# Altium PCB proto_main.PcbDoc
Units mil, origin at the board's own origin, x right, y up, seen from the top; angles counter-clockwise.
Board outline 1140 x 1140 mil, 4 copper layers (Component Side, Signal Layer 1, Signal Layer 2, Solder Side), stack 60.752 mil thick; 83 components, 54 nets, 283 pads, 66 vias.
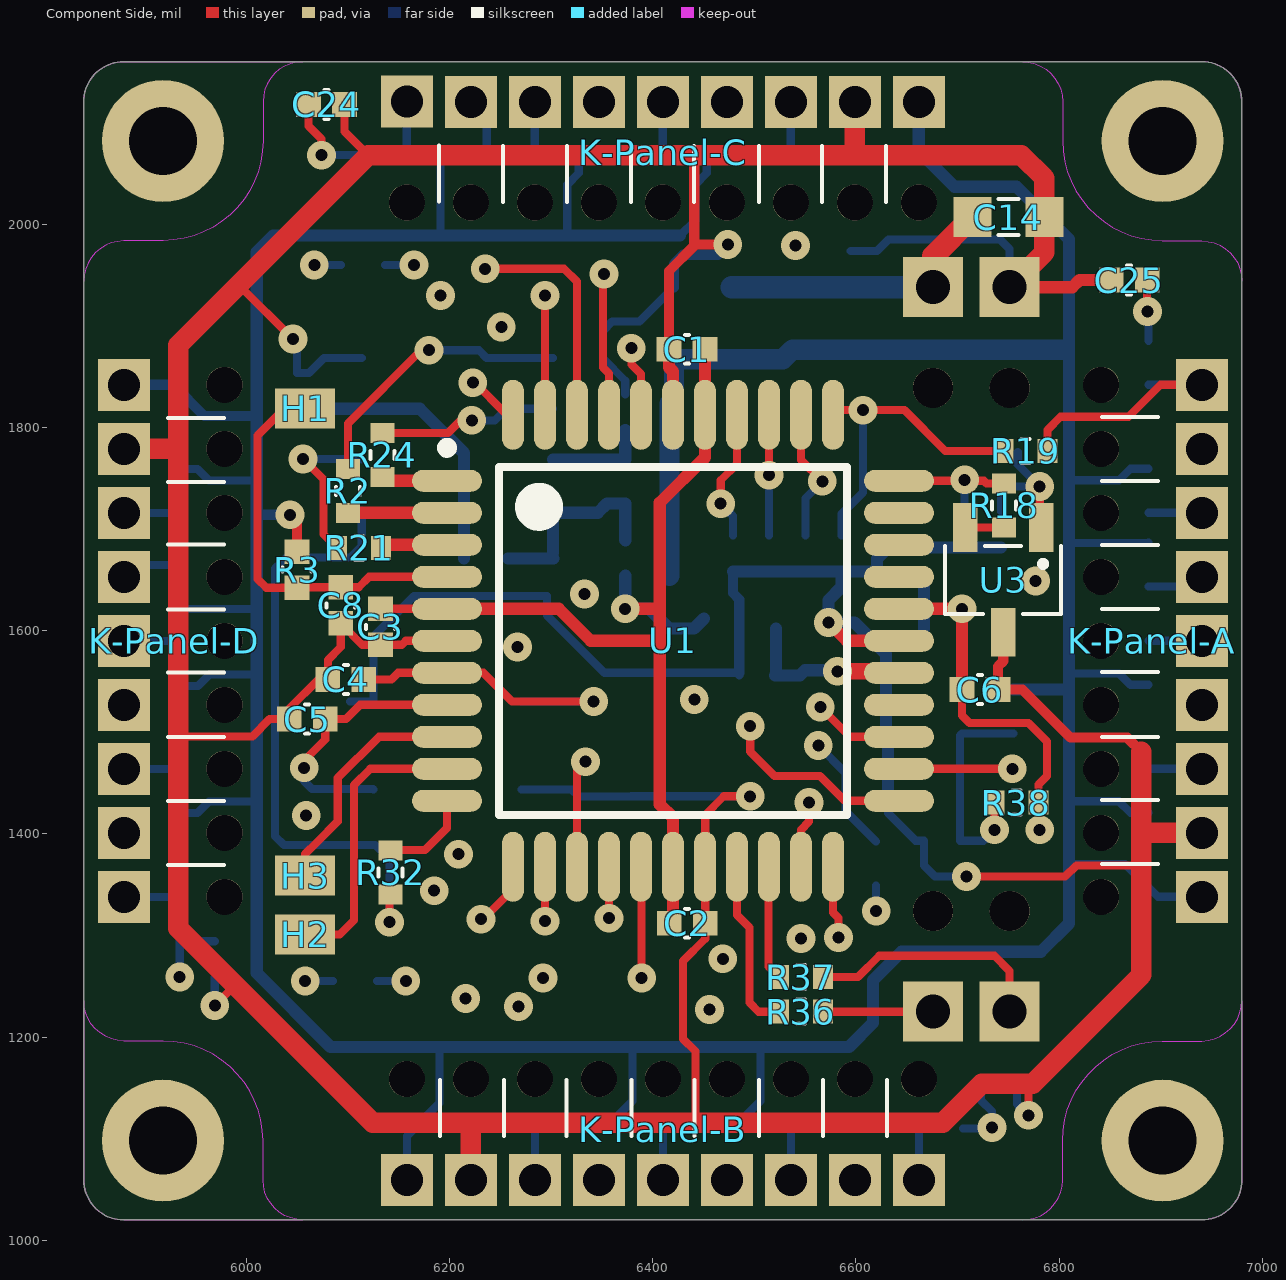
[diagram p0: Component Side view]
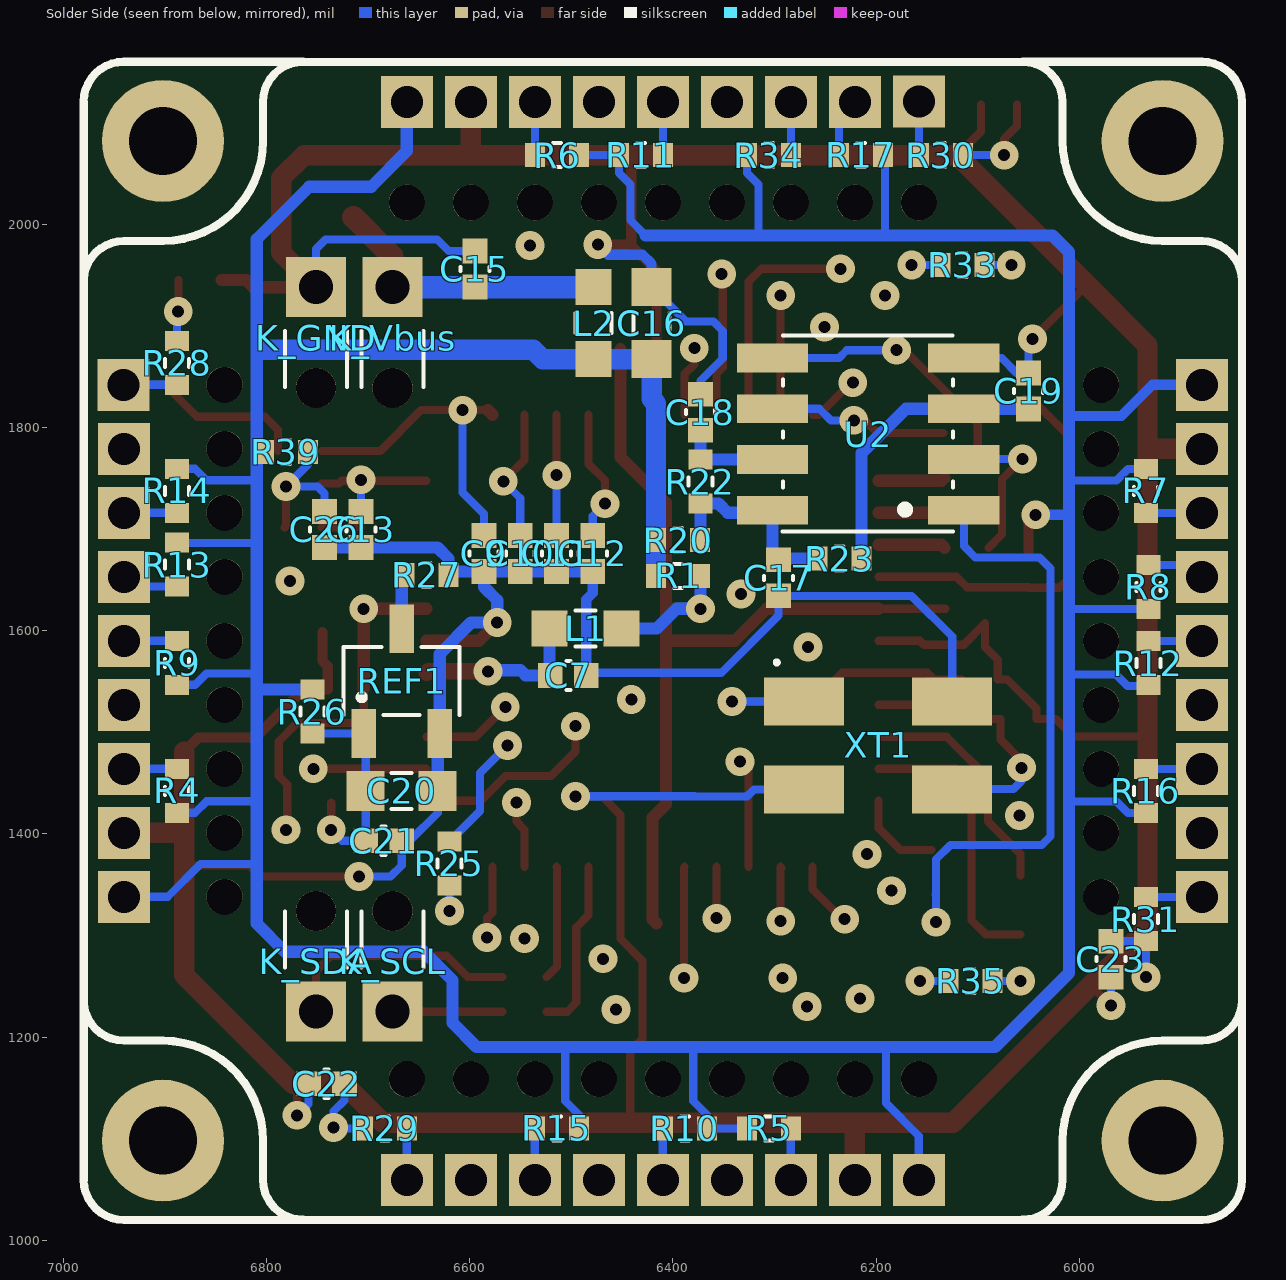
[diagram p1: Solder Side view, seen from below]
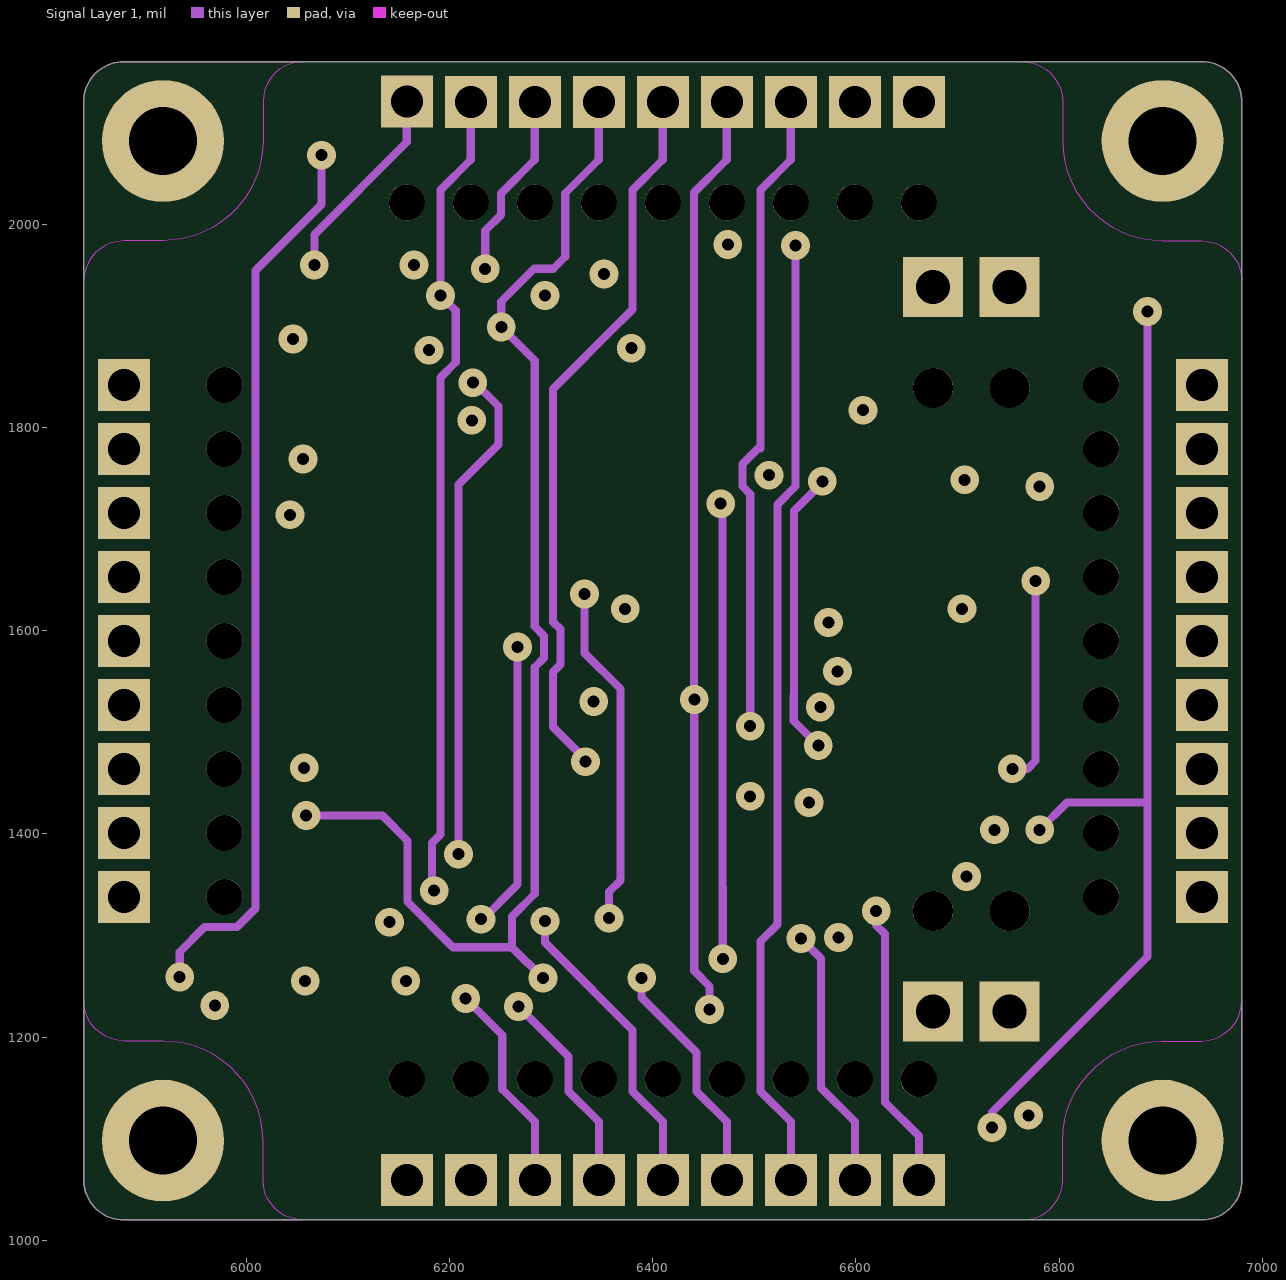
[diagram p2: Signal Layer 1]
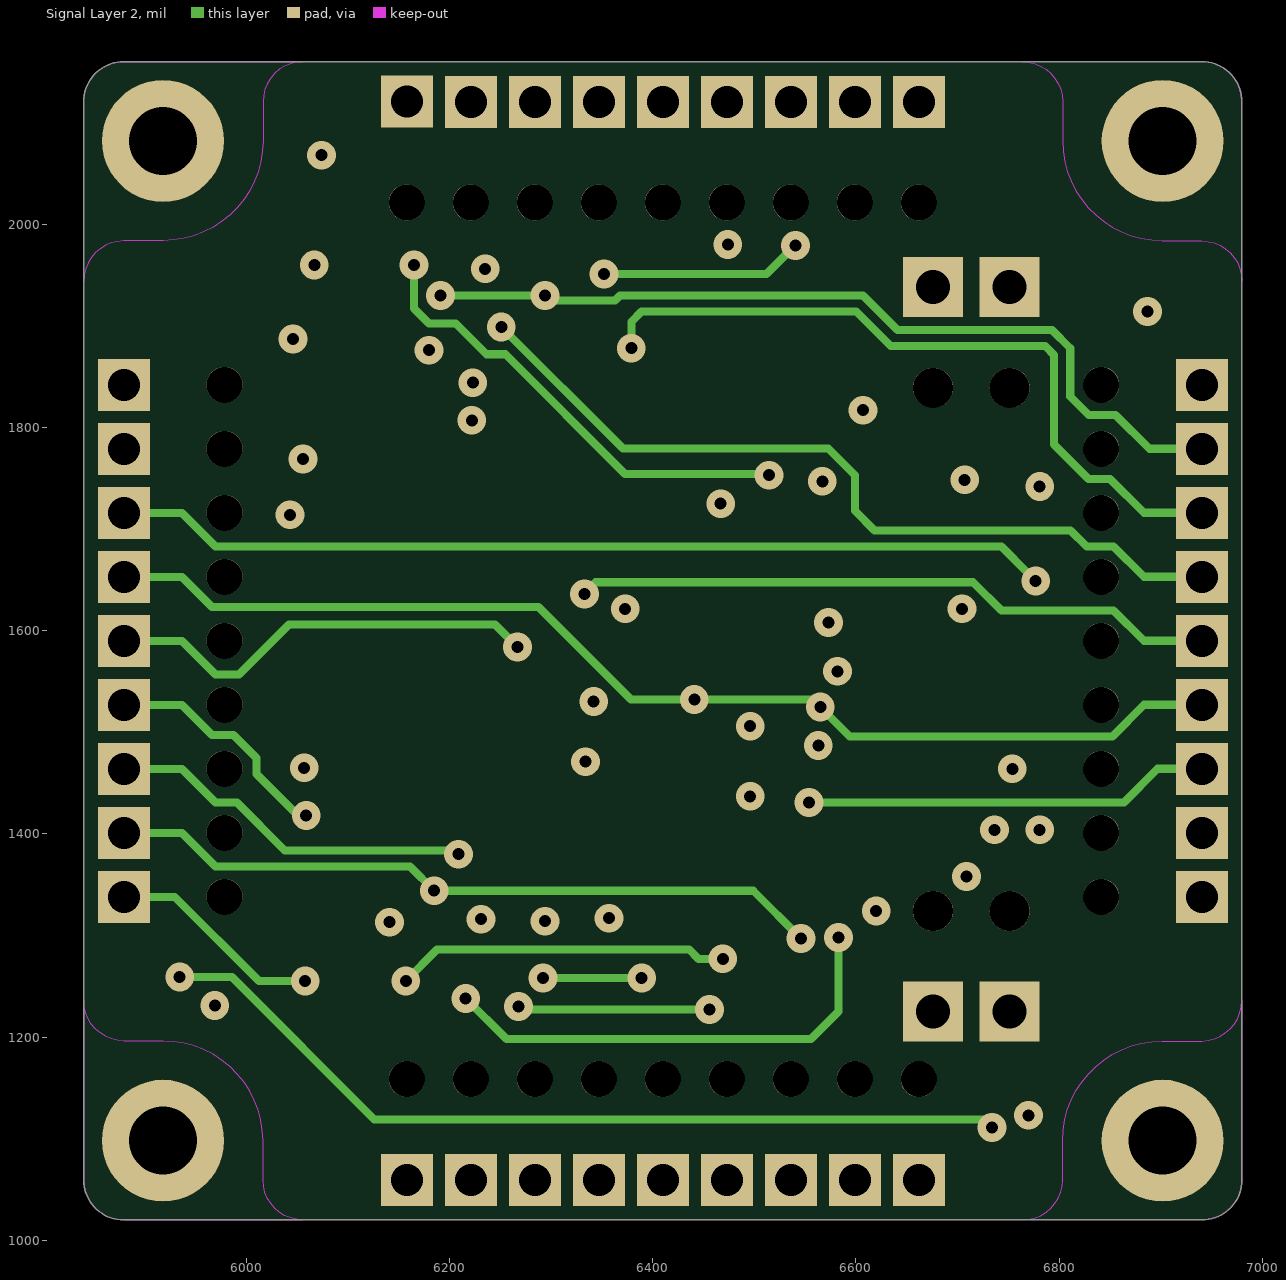
[diagram p3: Signal Layer 2]
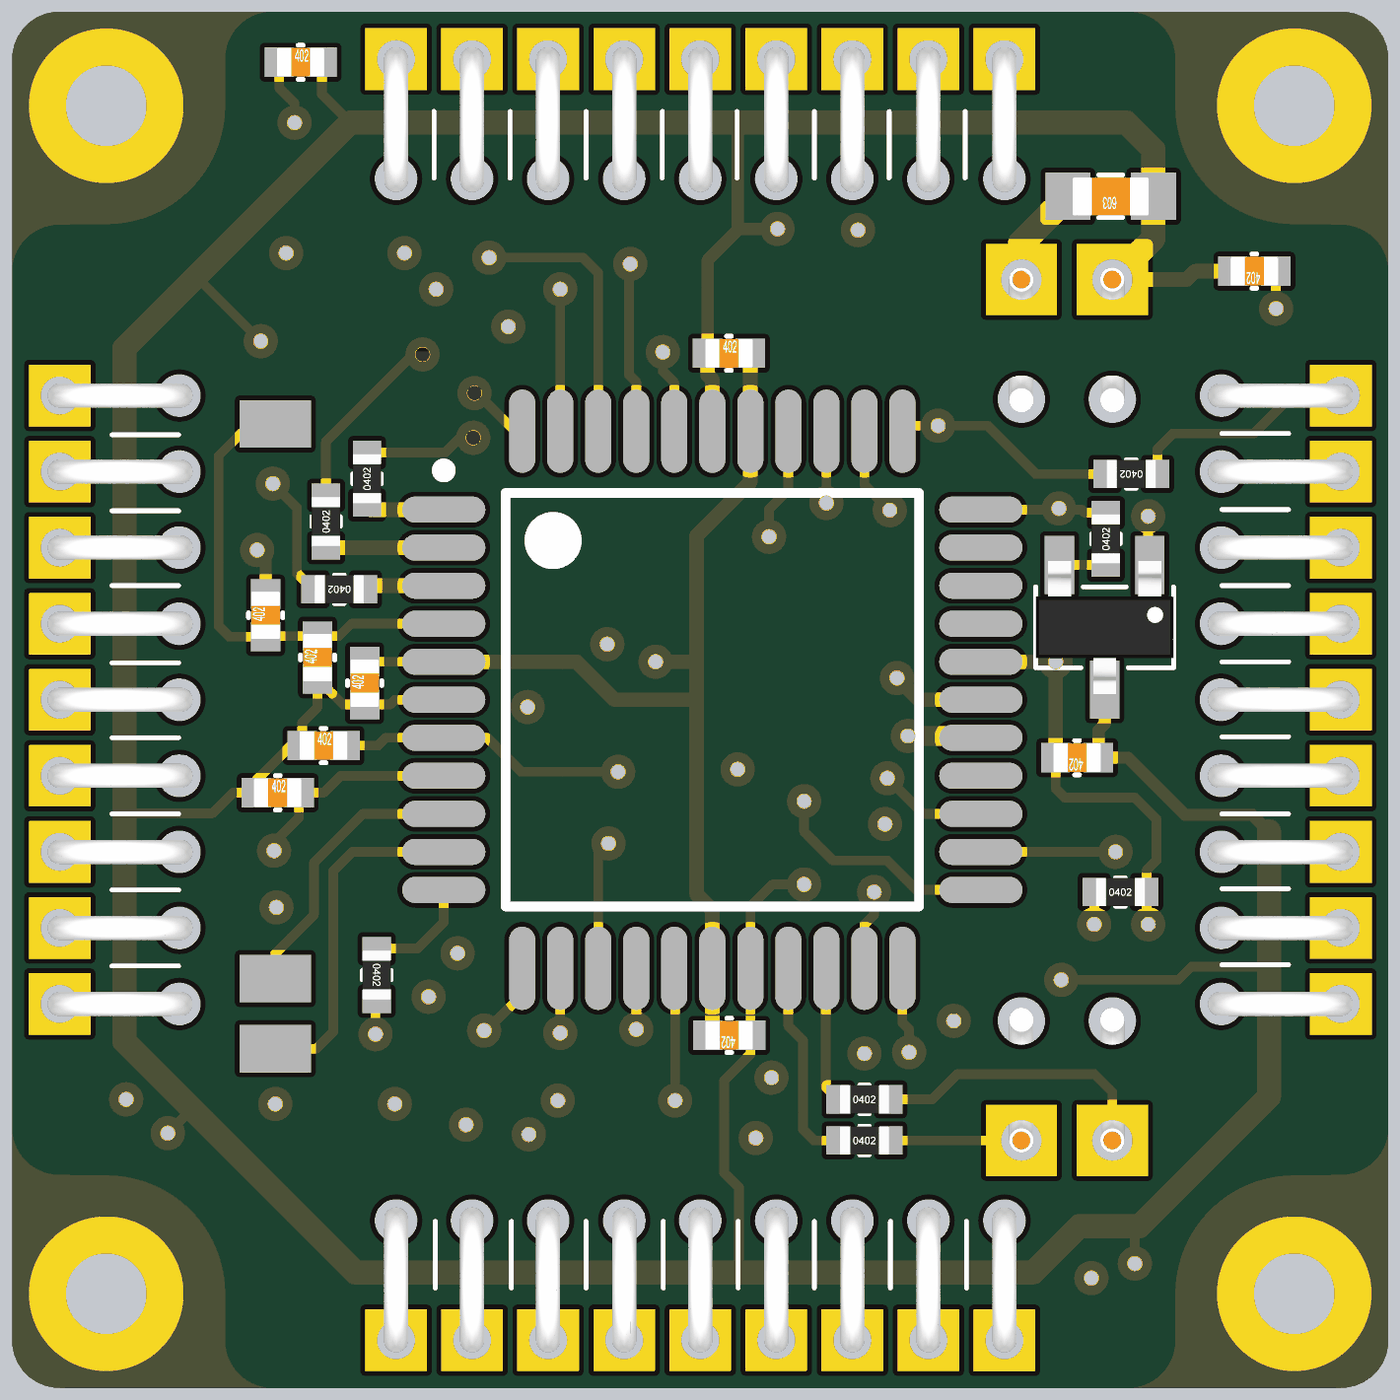
[diagram p4: 3D render of the assembled board from above, using the file's embedded part models]
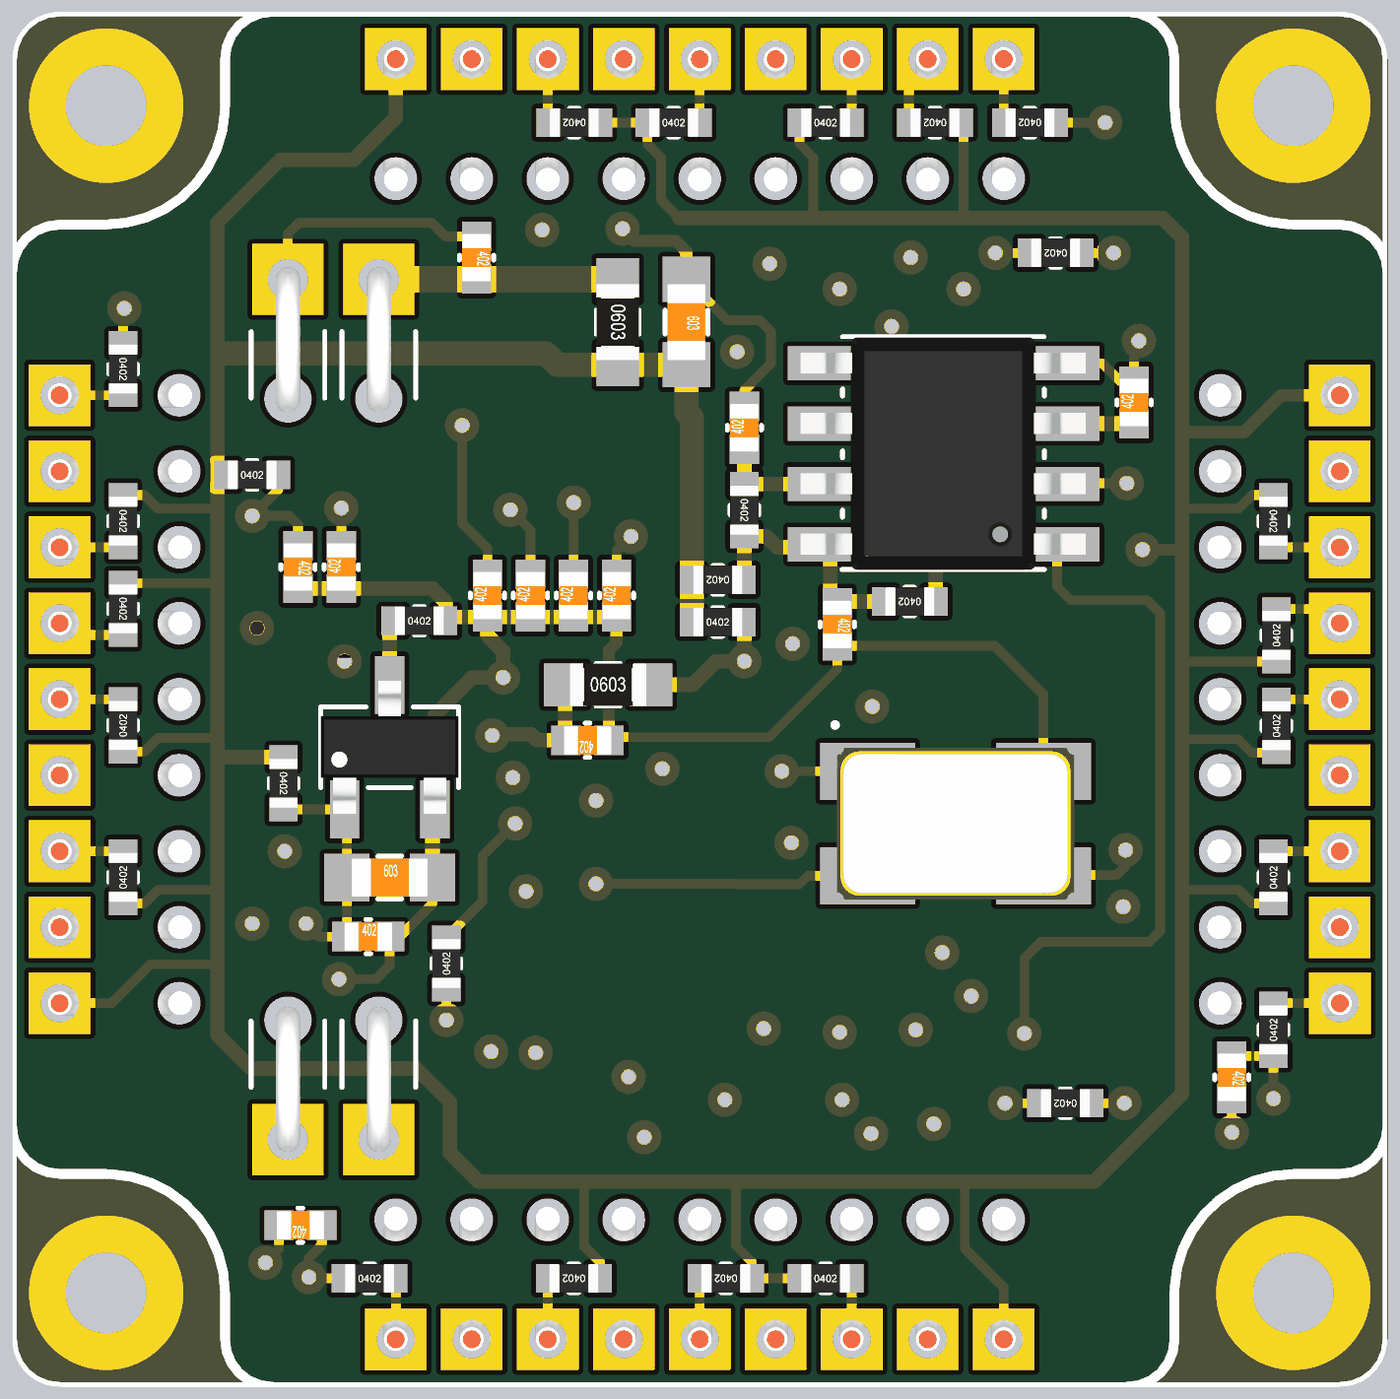
[diagram p5: 3D render of the assembled board from below, using the file's embedded part models]

## Layer stack, top to bottom
Component Side: signal copper 1.4
Dielectric 1: core 19.685, FR-4, Dk 4.2
Signal Layer 1: signal copper 1.4169
Dielectric 3: prepreg 15.748, Dk 4.2
Signal Layer 2: signal copper 1.4169
Dielectric 2: core 19.685, Dk 4.2
Solder Side: signal copper 1.4

## Board outline
5840,1059.37 5840,2120.6 cw(c5879.37,2120.6) 5879.37,2159.97 5879.37,2160 6940.6,2160 cw(c6940.6,2120.63) 6979.97,2120.63 6980,2120.63 6980,1059.4 cw(c6940.63,1059.4) 6940.63,1020.03 6940.63,1020 5879.4,1020 cw(c5879.4,1059.37)

## Design rules (kind name [scope] priority, off if disabled: settings)
Clearance [All] p1: gap=8
ComponentClearance [All] p1: gap=10 collisioncheckmode=3 verticalgap=0 showdistances=FALSE
PolygonConnect [All] p1: connectstyle=Relief reliefconductorwidth=10 reliefentries=4 polygonreliefangle="90 Angle" airgapwidth=10
RoutingVias [All] p1: holewidth=11 width=28 viastyle="Through Hole" minholewidth=11 minwidth=28 maxholewidth=13 maxwidth=29
SolderMaskExpansion [All] p1: expansion=4
Width [All] p1: maxlimit=100 minlimit=8 preferedwidth=10 minimp=50.000000 maximp=50.000000 favimp=50.000000
29 further rules are at their usual default settings.

## Classes and differential pairs
component class "3.0V Reference": C20 C21 R26 R27 R38 REF1
component class RTD_Interface: C22 C23 C24 C25 R28 R29 R30 R31
component class PANELS_CONN: K-Panel-A K-Panel-B K-Panel-C K-Panel-D
component class POWER: C14 C15 C16 L2
component class MCU: C1 C2 C3 C4 C5 C6 C7 C8 C9 C10 C11 C12 C13 H1 H2 H3 L1 R1 R3 R4 R5 R6 R7 R8 R9 R10 R11 R12 R13 R14 R15 R16 R17 R18 R19 R25 R33 R34 R35 U1 XT1
component class FRAM: C17 C18 C19 R2 R20 R21 R22 R23 R24 R32 U2
component class SAT_BUS: K_GND K_SCL K_SDA K_Vbus R36 R37
component class "Structure LM60": C26 R39 U3

## Components (designator, comment, footprint, x,y, rotation, side; value= is the part's Value field where it differs from the comment)
C1 "0402" SMD_Capacitor_0402 6433.78,1877 r0 top
C2 "0402" SMD_Capacitor_0402 6434,1312 r180 top
C3 "0402" SMD_Capacitor_0402 6132,1603.78 r90 top
C4 "0402" SMD_Capacitor_0402 6098,1552 r0 top
C5 "0402" SMD_Capacitor_0402 6060,1513.01 r0 top
C6 "0402" SMD_Capacitor_0402 6722.12,1542 r180 top
C7 "0402" SMD_Capacitor_0402 6503,1556 r0 bottom
C8 "0402" SMD_Capacitor_0402 6093,1625 r90 top
C9 "0402" SMD_Capacitor_0402 6586,1676 r90 bottom
C10 "0402" SMD_Capacitor_0402 6550.33,1676 r90 bottom
C11 "0402" SMD_Capacitor_0402 6514.67,1676 r90 bottom
C12 "0402" SMD_Capacitor_0402 6479,1676 r90 bottom
C13 "0402" SMD_Capacitor_0402 6707.12,1699.57 r90 bottom
C14 "0603" SMD_Capacitor_0603 6750,2007 r180 top
C15 "0402" SMD_Capacitor_0402 6595,1956 r270 bottom
C16 "0603" SMD_Capacitor_0603 6421,1902.62 r270 bottom
C17 "0402" SMD_Capacitor_0402 6296,1652 r270 bottom
C18 "0402" SMD_Capacitor_0402 6373,1815 r90 bottom
C19 "0402" SMD_Capacitor_0402 6050,1836 r90 bottom
C20 "100n/50V" SMD_Capacitor_0603 6667,1442.27 r180 bottom
C21 "10n/50V" SMD_Capacitor_0402 6684.72,1393.27 r180 bottom
C22 "10n/50V" SMD_Capacitor_0402 6741,1154 r0 bottom
C23 "10n/50V" SMD_Capacitor_0402 5969,1276.63 r270 bottom
C24 "10n/50V" SMD_Capacitor_0402 6079,2118 r0 top
C25 "10n/50V" SMD_Capacitor_0402 6869,1945 r180 top
C26 "10n/50V" SMD_Capacitor_0402 6743,1699.57 r270 bottom
H1 "Wire_AWG-26_SMD" Wire_AWG-26_SMD 6058,1818.41 r90 top
H2 "Wire_AWG-26_SMD" Wire_AWG-26_SMD 6058,1301 r90 top
H3 "Wire_AWG-26_SMD" Wire_AWG-26_SMD 6058,1359 r90 top
K-Panel-A "AWG24 wire" wire-awg26-9_stress-relief 6881.55,1841.98 r180 top
K-Panel-B "AWG24 wire" wire-awg26-9_stress-relief 6661.98,1118.51 r90 top
K-Panel-C "AWG24 wire" wire-awg26-9_stress-relief 6158.02,2061.55 r270 top
K-Panel-D "AWG24 wire" wire-awg26-9_stress-relief 5938.5,1338.02 r0 top
K_GND "AWG24 wire" wire-awg26-1_stress-relief 6751.33,1879 r270 bottom
K_SCL "AWG24 wire" wire-awg26-1_stress-relief 6676,1284 r90 bottom